# KiCad board Home Assistant Voice PE.kicad_pcb (continued)
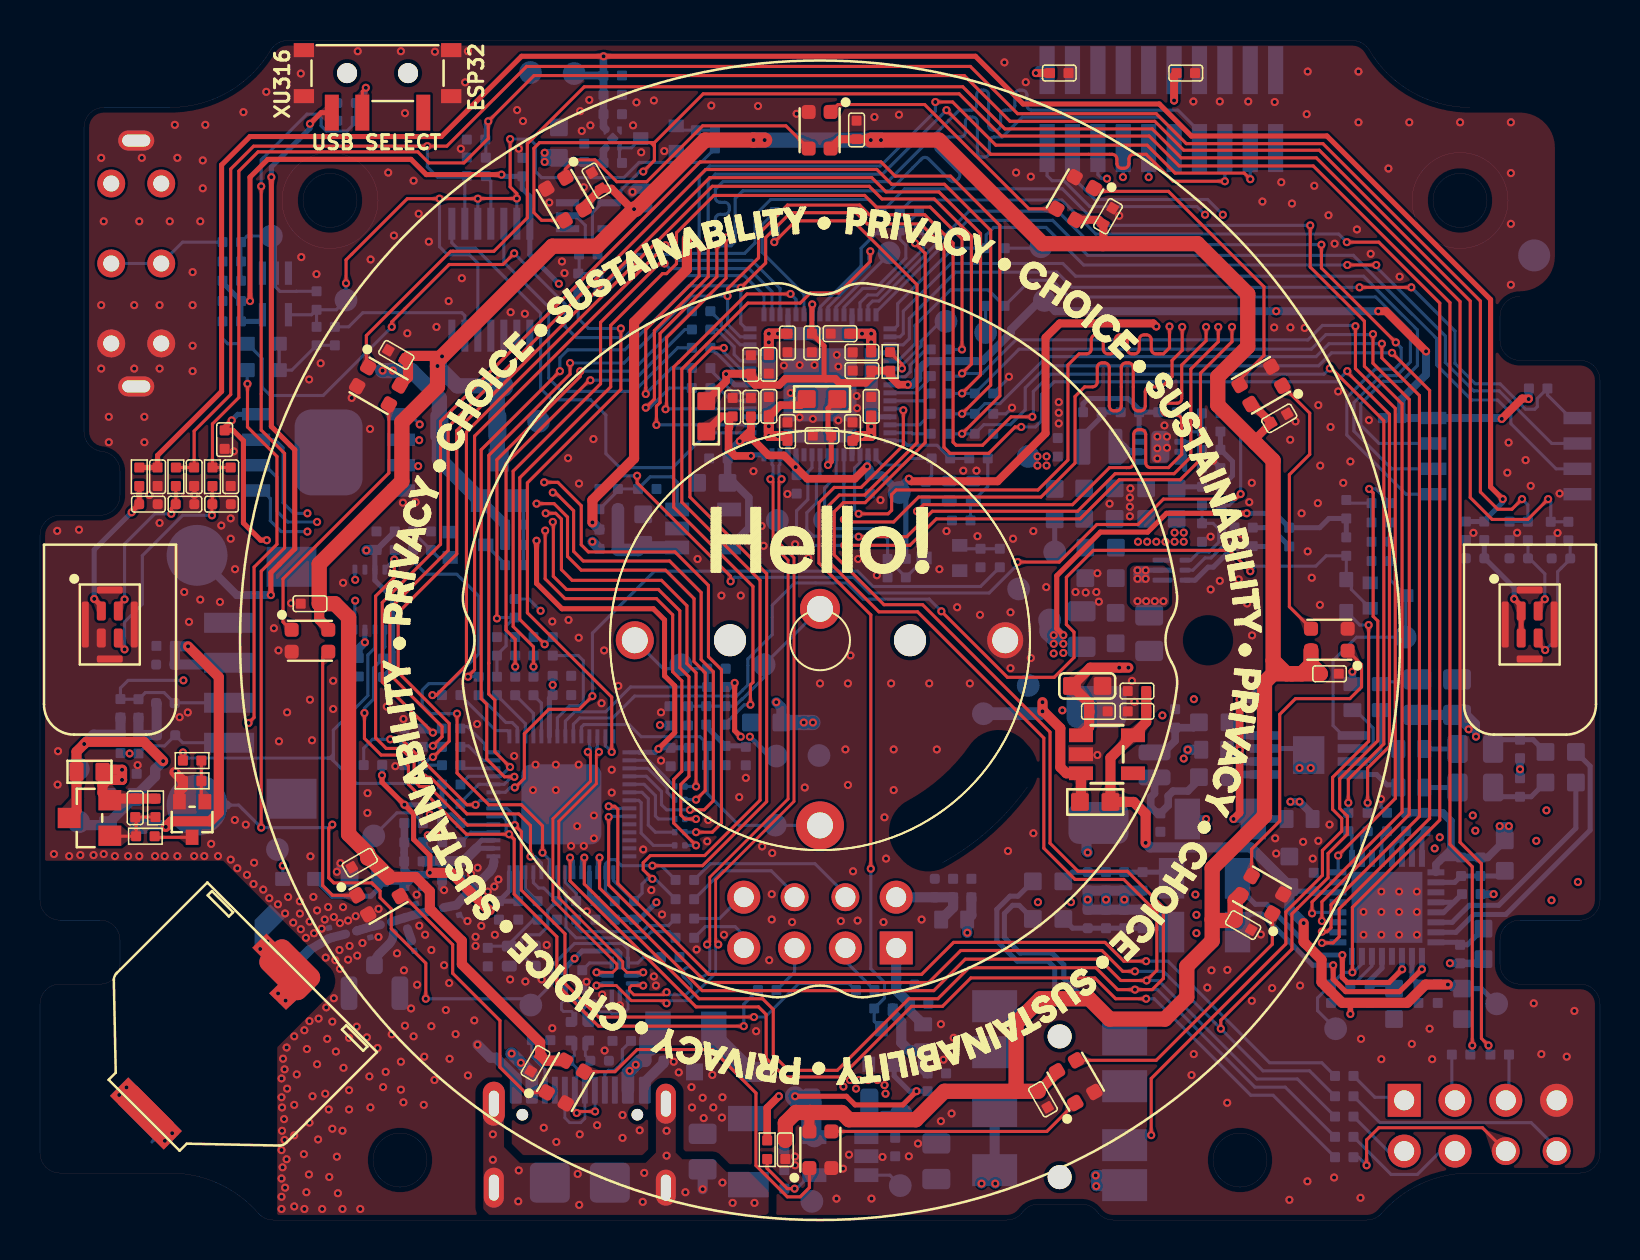
[diagram p0: board, top side]
## Routing (per net, layer and track width the routed paths; a pad name or vN(x,y) marks a point on that pad's centre or on a via; arc(x,y) is an arc through that point) (continued)
/XMOS/TDO: length 48.7
  Top w0.156: v1(40.19,35.05) 40.32,34.92 42.68,34.92 43.93,36.16 50.05,36.16 51.75,37.86 51.75,41.19 52.23,41.67 52.62,41.67 arc(52.79,41.74) 52.86,41.91 52.86,42.63 arc(52.93,42.8) 53.1,42.87 53.22,42.87 arc(53.39,42.8) 53.46,42.63 53.46,40.71 arc(53.53,40.54) 53.7,40.47 53.82,40.47 arc(53.99,40.54) 54.06,40.71 54.06,42.63 arc(54.13,42.8) 54.3,42.87 54.42,42.87 arc(54.59,42.8) 54.66,42.63 54.66,40.71 arc(54.73,40.54) 54.9,40.47 55.02,40.47 arc(55.19,40.54) 55.26,40.71 55.26,41.43 arc(55.33,41.6) 55.5,41.67 56.09,41.67 56.6,42.18 56.6,43 57.11,43.5 v1(57.11,44.67)
  In2.PWR w0.156: v1(57.11,44.67) 57.85,45.41 57.85,49.17 54.44,52.58 53.84,52.58 v1(53.35,52.09)
  Bottom w0.156: U2.20 40.2,36.88 40.19,36.87 v1(40.19,35.05) ; v1(53.35,52.09) 53.1,52.09 52.89,52.29 J5.6
/XMOS/TMS: length 48.1
  Top w0.156: v1(58.91,44.67) 58.91,43.94 57.54,42.56 57.54,38.17 56.7,37.33 53.76,37.33 51.88,35.45 44.62,35.45 43.34,34.18 40.93,34.18 v1(40.93,34.18)
  In2.PWR w0.156: v1(58.25,50.29) 58.91,49.62 v1(58.91,44.67)
  Bottom w0.156: v1(58.25,50.29) 57.85,50.69 52.49,50.69 51.19,51.99 50.61,51.99 50.35,52.24 J5.2 ; v1(40.93,34.18) 40.9,34.21 38.67,34.21 38.34,34.54 38.34,35.38 38.82,35.86 38.82,37.13 38.99,37.3 38.99,38.27 U2.23
/XMOS/XL_DN0: length 49.8
  Top w0.156: v1(31.28,40.56) 31.33,40.61 31.33,44.14 34.3,47.11 v1(34.3,49.14)
  Bottom w0.156: v1(31.28,40.56) 31.3,40.58 U2.35 ; v1(34.3,49.14) 33.77,49.68 33.77,50.07 arc(33.84,50.24) 34.01,50.31 34.23,50.31 arc(34.4,50.38) 34.47,50.55 34.47,50.67 arc(34.4,50.84) 34.23,50.91 34.01,50.91 arc(33.84,50.98) 33.77,51.15 33.77,51.56 34.15,51.94 42.38,51.94 45.96,55.52 46.59,55.52 arc(46.76,55.59) 46.83,55.76 46.83,56.28 arc(46.9,56.45) 47.07,56.52 47.19,56.52 arc(47.36,56.45) 47.43,56.28 47.43,54.76 arc(47.5,54.59) 47.67,54.52 47.79,54.52 arc(47.96,54.59) 48.03,54.76 48.03,55.28 arc(48.1,55.45) 48.27,55.52 48.51,55.52 arc(48.68,55.59) 48.75,55.76 48.75,56.28 arc(48.82,56.45) 48.99,56.52 49.11,56.52 arc(49.28,56.45) 49.35,56.28 49.35,55.76 arc(49.42,55.59) 49.59,55.52 56.89,55.52 57.97,54.44 J5.14
/XMOS/XL_DN1: length 50
  Top w0.156: v1(33.84,48.79) 33.84,47.19 31,44.35 31,40.89 30.82,40.71 v1(30.82,39.77)
  Bottom w0.156: U2.33 30.83,39.78 v1(30.82,39.77) ; J5.12 56.7,54.44 55.98,55.16 49.11,55.16 48.12,54.17 47.71,54.17 arc(47.54,54.1) 47.47,53.93 47.47,53.41 arc(47.4,53.24) 47.23,53.17 47.11,53.17 arc(46.94,53.24) 46.87,53.41 46.87,54.93 arc(46.8,55.1) 46.63,55.17 46.51,55.17 arc(46.34,55.1) 46.27,54.93 46.27,54.41 arc(46.2,54.24) 46.03,54.17 45.17,54.17 44.85,53.85 arc(44.78,53.68) 44.85,53.51 45.92,52.43 arc(45.99,52.26) 45.92,52.09 45.84,52.01 arc(45.67,51.94) 45.5,52.01 44.42,53.08 arc(44.25,53.15) 44.08,53.08 42.48,51.48 35.14,51.48 34.76,51.1 34.76,48.94 34.55,48.73 33.9,48.73 v1(33.84,48.79) ; 56.75,53.41 56.83,53.49
/XMOS/XL_UP0: length 46.8
  Top w0.156: v1(59.24,51.96) 56.66,51.96 55.31,53.31 54.68,53.31 arc(54.52,53.24) 54.44,53.07 54.44,52.85 arc(54.37,52.68) 54.2,52.61 54.08,52.61 arc(53.92,52.68) 53.84,52.85 53.84,53.07 arc(53.77,53.24) 53.6,53.31 47.53,53.31 v1(45.32,55.52) ; v1(30.29,40.63) 30.72,41.06 30.72,44.49 33.41,47.19 v1(33.41,49.14)
  Bottom w0.156: v1(45.32,55.52) 42.12,52.32 33.77,52.32 33.41,51.96 v1(33.41,49.14) ; R32.2 31.47,41.61 30.49,40.63 v1(30.29,40.63) ; v1(59.24,51.96) J5.16
/XMOS/XL_UP1: length 47.3
  Top w0.156: v1(30.29,41.32) 30.29,44.54 32.95,47.21 v1(32.95,48.79) ; v1(60.51,52.06) 60.21,52.37 56.75,52.37 55.36,53.77 47.79,53.77 45.63,55.93 44.89,55.93 44.89,55.92 v1(44.77,55.92)
  Bottom w0.156: v1(32.95,48.79) 32.95,52.19 33.49,52.72 42.02,52.72 44.77,55.47 v1(44.77,55.92) ; R33.2 31.58,42.61 v1(30.29,41.32) ; v1(60.51,52.06) J5.18
/XMOS/XMOS_MUTE_DET: length 38.1
  Top w0.156: v1(23.71,48.35) 23.15,47.8 20.46,47.8 17.59,44.93 v1(17.59,44.67)
  Bottom w0.156: v1(23.71,48.35) 26.25,45.81 26.25,44.7 26.81,44.14 29.2,44.14 32.29,47.24 35.22,47.24 36.2,46.25 U2.46 ; R52.1 9.12,44.09 9.38,43.83 D13.1 11.11,43.08 11.11,41.65 11.52,41.24 14.16,41.24 v1(17.59,44.67)
/XMOS/XOD31: length 4.4
  Bottom w0.156: 42.15,48.01 39.8,45.66 U2.55 ; 42.15,48.01 42.15,48.2 ; 42.15,48.01 42.45,48.32 TP40.1
/XMOS/XOD32: length 6
  Bottom w0.156: U2.56 40.2,45.66 41.14,46.6 41.79,46.6 43.29,48.11 43.29,48.76 42.99,49.07 R41.1
/XMOS/XOD33: length 5.9
  Bottom w0.156: R143.1 44.18,49.29 44.18,48.6 41.86,46.27 41.39,46.27 41,45.88 U2.58
/XMOS/XOD43: length 6.3
  Bottom w0.156: R142.1 36.1,49.78 36.1,48.41 38.2,46.31 U2.51
Audio_DET: length 55.1
  Top w0.156: v1(45.07,30.45) 48.37,27.15 50.71,27.15 51.7,28.14 51.7,29.41 51.32,29.79 51.32,32.15 52.67,33.5 59.47,33.5 v1(60.51,32.45)
  Bottom w0.156: v1(60.51,32.45) 60.77,32.71 63.79,32.71 64.31,33.22 R26.1 D9.1 65.57,31.78 65.57,31.54 Q2.1 ; v1(45.07,30.45) 44.46,31.06 41.16,31.06 40.35,31.87 37.73,31.87 36.61,30.75 36.61,29.29 35.39,28.07 35.39,26.76 34.83,26.21 34.66,26.21 34.65,26.21 29.73,26.21 28.64,25.11 26.99,25.11 26.67,24.8 U1.23
AUDIO_PA_EN: length 78.6
  Top w0.156: v1(28.43,20.16) 28.43,16.76 33.31,11.88 44.44,11.88 46.04,13.48 53.1,13.48 54.14,12.44 v1(54.75,12.44) ; v1(66.46,36.57) 66.66,36.37 66.66,30.2 66.89,29.97 66.89,23.97 64.98,22.07 64.98,20.59 65.37,20.2 65.37,19.3 65.37,19.3 64.4,18.34 64.4,17.12 62.88,15.59 62.88,15.59 62.6,15.31 62.6,13.55 59.04,9.99 v1(59.04,9.57)
  Bottom w0.156: v1(28.43,20.16) 28.47,20.19 U1.37 ; v1(66.46,36.57) 66.79,36.57 67.5,35.86 R36.1 ; v1(54.75,12.44) 56.17,12.44 v1(59.04,9.57) 61.15,7.46 63.48,7.46 R136.2
BUT_A: length 28.8
  Top w0.156: v1(35.52,25.77) 35.52,26.76 35.65,26.89 35.65,31.69 31.68,35.65 31.68,42.67 31.94,42.92 31.94,42.92 35.35,46.32 v1(37.53,46.32)
  Bottom w0.156: R125.1 34.28,24.83 35.22,25.77 v1(35.52,25.77) ; U2.50 37.8,46.05 v1(37.53,46.32)
ECO_A: length 13.7
  Bottom w0.156: U1.22 26.27,24.96 26.73,25.42 28.28,25.42 29.53,26.66 R106.1 C130.1 31.16,27.58 SW2.A
ECO_B: length 16
  Bottom w0.156: SW2.B 34.95,19.74 33.36,21.33 33.36,23.82 33,24.17 30.06,24.17 29.45,24.78 27.2,24.78 27.07,24.65 U1.24
ESP_3V3: length 77.2
  Top w0.254: v1(17.1,22.25) 17.1,21.9 v1(18.22,20.77) 18.68,20.32 18.68,19.04 19.49,18.23 v1(19.49,17.37) ; v1(34.73,26.87) 34.73,24.48 v1(35.04,24.17)
  Top w0.508: v1(22.48,15.49) 22.43,15.49 20.56,17.37 19.54,17.37
  In2.PWR w0.508: 31.84,24.17 31.74,24.07 31.74,16.81 v1(30.82,15.89) ; 31.84,24.17 v1(35.04,24.17) v1(35.49,24.17) ; 31.84,24.17 28.17,24.17 25.63,26.71 24.04,26.71 23.2,25.88 23.2,24.17 20.92,21.89 20.92,18.79 v1(19.49,17.37)
  Bottom w0.254: C86.1 22.49,15.49 v1(22.48,15.49) ; C86.1 23.47,16.47 U1.56 ; C86.1 C82.1 23.87,15.99 U1.55 ; v1(17.1,22.25) 17.11,22.26 R98.2 ; D11.2 14.6,16.2 16.55,16.2 17,16.66 C75.1 ; v1(18.22,20.77) 18.22,20.77 20.05,20.77 R123.2 R128.2 ; R115.2 33.31,24.69 R116.2 35.25,23.72 C132.1 ; TP11.1 36.46,23.21 v1(35.49,24.17) ; U1.46 27.47,16.25 C108.1 27.81,15.95 R130.2 28.74,15.03 29.35,15.03 ; 29.35,15.03 29.96,15.03 v1(30.82,15.89) ; 29.35,15.03 29.7,15.03 ; C109.1 C91.1 25.47,26.09 U1.20 ; v1(34.73,26.87) 34.53,26.66 R106.2
  Bottom w0.381: C76.1 18.79,17.27 ; 18.79,17.27 19.4,17.27 v1(19.49,17.37) ; 18.79,17.27 18.46,17.27 18.22,17.52 ; 18.22,17.52 18.22,16.96 17.16,16.96 C75.1 ; 18.22,17.52 18.22,17.93 L4.1 18.21,18.88 R51.2 R89.2 ; R123.2 20.1,20.82
  vias: v1(25.63,26.76)
ESP_BOOT: length 24.7
  In2.PWR w0.156: v1(31,24.76) 28.36,24.76 25.94,27.17 23.64,27.17 22.72,26.26 22.72,24.5 20.43,22.22 20.43,21 19.72,20.29 v1(19.49,20.29)
  Bottom w0.156: U1.5 21.09,19.79 C113.1 20.57,20.31 19.52,20.31 v1(19.49,20.29) 19.14,19.94 R89.1 19.14,19.88 18.65,20.36 17.84,20.36 TP10.1 ; v1(31,24.76) 31.02,24.73 R111.1 ; 31.37,24.78 31.38,24.78
ESP_IO40: length 101.6
  Top w0.156: v1(36.71,48.91) 37.78,49.98 40.65,49.98 43.85,46.78 43.85,38.88 41.24,36.26 39.97,36.26 39.33,35.63 39.33,33.04 41.95,30.42 43.88,30.42 50.19,24.11 50.19,18.6 51.75,17.04 54.19,17.04 55.84,15.39 55.84,12.49 v1(55.33,11.98) 54.04,11.98 52.97,13.05 46.26,13.05 44.69,11.47 33.11,11.47 27.98,16.6 v1(27.98,18.13)
  Bottom w0.156: v1(55.33,11.98) 55.92,11.98 60.84,7.05 62.87,7.05 R133.2 ; v1(27.98,18.13) 27.87,18.02 U1.45 ; 36.69,49.49 36.69,48.94 v1(36.71,48.91)
ESP_IO41: length 103
  Top w0.156: v1(43.75,48.86) 44.26,48.35 44.26,38.89 41.26,35.88 40.17,35.88 39.71,35.43 39.71,33.27 42.2,30.78 44.13,30.78 50.5,24.41 50.5,18.85 51.9,17.44 54.37,17.44 56.17,15.64 56.17,12.08 55.61,11.52 v1(54.75,11.52) 53.88,11.52 52.79,12.62 46.44,12.62 44.89,11.07 43.45,11.07 39.86,7.49 37.43,7.49 36.66,8.25 36.66,10.53 36.13,11.07 32.95,11.07 27.21,16.81 v1(27.21,18.13)
  Bottom w0.156: R143.2 43.44,49.93 43.44,49.17 v1(43.75,48.86) ; v1(54.75,11.52) 55.87,11.52 60.74,6.65 62.26,6.65 R134.2 ; U1.47 27.07,17.98 v1(27.21,18.13)
ESP_IO42: length 51.3
  Top w0.156: v1(26.5,18.13) 26.5,16.96 32.8,10.66 35.93,10.66 36.31,10.28 36.31,8.1 37.25,7.16 40.04,7.16 43.57,10.69 45.12,10.69 46.54,12.11 52.74,12.11 53.78,11.07 v1(55.31,11.07)
  Bottom w0.156: U1.48 26.67,17.96 v1(26.5,18.13) ; R135.2 61.65,6.24 60.54,6.24 55.71,11.07 v1(55.31,11.07)
ESP_IO48: length 46.5
  Top w0.156: v1(28.43,20.69) 28.74,20.69 28.89,20.54 28.89,16.83 33.44,12.29 44.08,12.29 45.68,13.89 53.25,13.89 54.19,12.95 v1(55.31,12.95)
  Bottom w0.156: U1.36 28.53,20.59 v1(28.43,20.69) ; v1(55.31,12.95) 56.4,12.95 61.48,7.87 64.09,7.87 R91.1
ESP_MUTE_DET: length 35.2
  Top w0.156: v1(10.43,24.86) 10.7,25.14 10.7,32.66 11.85,33.8 11.85,38.19 10.37,39.67 v1(10.37,41.83) ; v1(17.51,24.05) 18.07,24.05 21.35,20.77 v1(21.78,20.77)
  In2.PWR w0.156: v1(10.43,24.86) 16.7,24.86 v1(17.51,24.05)
  Bottom w0.156: v1(17.51,24.05) 16.63,24.05 16.18,23.6 R98.1 ; U1.8 22,20.99 v1(21.78,20.77) ; D20.1 10.36,41.84 v1(10.37,41.83)
ESP_RST: length 14.2
  In2.PWR w0.156: v1(19.39,19.25) 13.66,19.25 v1(12.14,17.72)
  Bottom w0.156: R51.1 19.6,18.43 20.58,18.43 C112.1 21.54,19.39 U1.4 ; R51.1 18.98,18.89 ; R51.1 19.14,19 v1(19.39,19.25) ; D11.1 12.14,18.27 TP20.1
ESP_RX0: length 8.9
  Bottom w0.156: R85.1 31.48,14.42 30.57,14.42 30.26,14.12 26.81,14.12 26.3,14.62 26.3,16.35 25.87,16.78 U1.50
ESP_TX0: length 5.7
  Bottom w0.156: R87.2 26.81,14.67 27.06,14.42 30.11,14.42 30.41,14.73 31.42,14.73 31.78,15.08
ESP_USB_N: length 15.5
  Top w0.142: v1(27.39,23.42) 27.52,23.28 27.52,21.95 25.64,20.07 25.64,16 28.85,12.8 28.85,12.6 28.64,12.39 v1(27.82,12.39)
  Bottom w0.142: v1(27.39,23.42) 27.52,23.55 27.52,23.62 27.47,23.67 U1.25 ; v1(27.82,12.39) 27.98,12.23 U17.7
ESP_USB_P: length 15.6
  Top w0.142: v1(27.95,23.42) 27.82,23.28 27.82,21.82 25.94,19.95 25.94,16.12 29.14,12.92 29.14,12.6 29.35,12.39 v1(30.16,12.39)
  Bottom w0.142: v1(30.16,12.39) 30.01,12.23 U17.1 ; v1(27.95,23.42) 27.82,23.55 27.82,23.62 27.87,23.67 U1.26
ESP_WS2812: length 29.4
  Top w0.156: v1(28.59,23.41) 28.59,26.16 24.37,30.37 24.37,36.87 29.04,41.55 v1(29.04,44.6)
  Bottom w0.156: U1.27 28.27,23.73 v1(28.59,23.41) ; R38.1 26.91,45.1 27.42,44.6 v1(29.04,44.6)
Grove_5V: length 31.4
  Top w0.508: v1(6.16,22.95) 5.19,23.92 2.32,23.92 v1(2.21,23.81) 1.82,23.42 R118.2 1.82,20.48 Q5.3
  In2.PWR w0.508: v1(16.25,28.9) 15.4,28.9 12.51,26 8.9,26 6.16,23.26 v1(6.16,22.95)
  Bottom w0.254: v1(16.25,28.9) U20.7
  Bottom w0.4: v1(16.25,28.9) 15.94,28.59 C118.1
  Bottom w0.508: R144.2 4.03,25.13 R145.2 2.68,24.28 v1(2.21,23.81) ; v1(6.16,22.95) 5.76,22.55 C85.1 5.76,22.18 C84.1 3.4,19.83 FB11.1 2.09,19.75 TP34.1
GROVE_PWR: length 30
  Top w0.156: R67.1 7.14,23.38 v1(7.15,23.39) ; v1(24.52,18.18) 24.52,19.73 23.94,20.31 21.35,20.31 19.52,22.14 v1(19.19,22.14)
  Bottom w0.156: 14.67,23.28 14.67,22.98 ; 14.67,23.28 14.49,23.11 14.39,23.11 ; 14.67,23.28 14.67,24.5 16.39,26.23 16.39,28.26 16.75,28.62 U20.6 ; 14.67,22.98 15.81,21.84 18.88,21.84 v1(19.19,22.14) ; 14.67,22.98 14.54,23.11 14.39,23.11 ; 14.39,23.11 7.43,23.11 v1(7.15,23.39) ; v1(24.52,18.18) 24.74,18.18 25.07,17.85 U1.52
GROVE_SCL: length 46.5
  Top w0.156: v1(35.7,10.15) 27.93,10.15 26.25,11.83 26.25,14.32 24.06,16.5 24.06,19.43 v1(23.74,19.75) 21.37,19.75 19.44,21.68 18.98,21.68 18.71,21.96 18.71,22.93 18.05,23.59 17.31,23.59 16.78,24.12 16.78,31.21 17.71,32.14 v1(17.71,33.04)
  Bottom w0.156: U1.7 23.33,20.59 23.74,20.19 v1(23.74,19.75) ; R83.1 40.78,11.5 40.45,11.83 37.93,11.83 36.26,10.15 v1(35.7,10.15) ; U20.4 17.25,32.57 v1(17.71,33.04) 17.74,33.06 R141.1
GROVE_SDA: length 37.9
  Top w0.156: v1(16.22,25.36) 16.22,24.09 17.05,23.26 17.87,23.26 18.42,22.7 18.42,21.79 18.83,21.38 19.24,21.38 21.32,19.3 v1(23.46,19.3) 23.71,19.04 23.71,16.3 25.84,14.17 25.84,11.78 27.93,9.7 v1(35.19,9.7)
  Bottom w0.156: v1(16.22,25.36) 16.22,25.6 16.68,26.06 16.68,27.61 R140.1 17.16,28.57 17.25,28.66 U20.5 ; R84.1 35.19,10.79 v1(35.19,9.7) ; U1.6 23.13,20.19 23.3,20.02 23.3,19.45 v1(23.46,19.3)
I2C2_SCL: length 40.3
  Top w0.156: v1(34.19,43.62) 33.61,43.62 32.5,42.51 32.5,36.16 36.33,32.33 36.33,20.93 33.13,17.72 v1(30.62,17.72)
  Bottom w0.156: v1(34.19,43.62) 34.19,43.41 35.02,42.58 U2.40 ; R86.2 31.07,17.72 v1(30.62,17.72) 29.08,17.72 28.78,18.03 28.48,18.03 28.27,17.81 U1.44 28.27,16.42 R130.1
I2C2_SDA: length 53
  Top w0.156: v1(41.51,48.46) 41.51,47.95 39.94,46.37 38.52,46.37 38.01,45.87 35.39,45.87 32.09,42.56 32.09,35.91 36,32 36,21 33.23,18.23 30.52,18.23 30.16,17.87 30.16,17.52 v1(30.62,17.06)
  Bottom w0.156: R88.2 30.77,17.06 v1(30.62,17.06) 30.36,17.06 30.1,16.8 30.1,16.35 R129.1 28.67,16.98 U1.43 ; v1(41.51,48.46) 41.46,48.4 41.46,48.05 ; 41.46,48.05 41.46,47.72 39.4,45.66 U2.54 ; 41.46,48.05 41.46,48.46
I2C_SCL: length 107.5
  Top w0.156: v1(26.5,42.87) 26.5,42.31 22.44,38.25 22.44,27.85 22.44,27.85 22.44,26.31 22.74,26 22.74,23.42 v1(23.5,22.66) ; v1(65.42,20.87) 65.42,22.04 67.19,23.81 67.19,39.98 64.57,42.6 v1(64.49,42.6) ; v1(49.62,40.18) 48.55,40.18 47.13,38.75 45.81,38.75 45.65,38.91 45.65,48.86 44.23,50.29 41.46,50.29 40.98,50.77 37.37,50.77 35.93,49.32 35.93,48.13 34.38,46.58 v1(34.38,46.22)
  Bottom w0.156: U2.44 35.01,44.18 34.38,44.81 v1(34.38,46.22) ; v1(26.5,42.87) 29.2,42.87 32.55,46.22 34.48,46.22 ; v1(64.49,42.6) 64.2,42.31 50.53,42.31 49.67,41.45 49.67,40.23 v1(49.62,40.18) ; v1(23.5,22.66) 23.04,22.19 U1.11 21.43,22.19 R128.1 ; R16.1 v1(65.42,20.87)
I2C_SDA: length 109.2
  Top w0.156: v1(65.36,42.46) 65.36,42.41 67.47,40.3 67.47,23.7 66.38,22.6 v1(66.38,20.87) ; v1(26,42.46) 22.06,38.53 22.06,26.08 22.34,25.8 22.34,23.06 23.22,22.17 v1(23.72,22.17) ; v1(35.04,46.63) 36.28,47.87 36.28,49.14 37.53,50.39 40.8,50.39 41.36,49.83 44.03,49.83 45.2,48.66 45.2,38.65 45.5,38.35 47.43,38.35 48.76,39.67 v1(49.06,39.67)
  Bottom w0.156: v1(26,42.46) 26,43.12 26.4,43.53 29.25,43.53 32.45,46.73 34.94,46.73 v1(35.04,46.63) 35.04,44.85 35.31,44.58 U2.45 ; R17.1 v1(66.38,20.87) ; R123.1 21.02,20.88 21.94,21.79 U1.10 23.21,21.79 23.59,22.17 v1(23.72,22.17) ; v1(65.36,42.46) 64.83,41.93 50.71,41.93 50.07,41.29 50.07,39.97 49.77,39.67 v1(49.06,39.67)
I2S2_BCLK: length 23.5
  Top w0.156: v1(23.76,27.68) 23.76,29.05 23.3,29.51 23.3,37.84 27.47,42 v1(27.52,42)
  Bottom w0.156: R104.2 32.24,44.54 29.7,42 v1(27.52,42) ; R92.1 C8.1
I2S2_DATA: length 47.1
  Top w0.156: v1(46.1,43.54) 46.1,49.08 44.51,50.67 41.82,50.67 41.24,51.25 33.69,51.25 31.82,49.38 31.82,47.83 31.33,47.34 31.13,47.34 28.54,44.75 28.54,41.67 23.99,37.13 23.99,30.04 v1(25.23,28.8)
  Bottom w0.156: R102.1 25.59,29.16 v1(25.23,28.8) ; R103.2 v1(46.1,43.54)
I2S2_LRCLK: length 32
  Top w0.156: v1(24.67,27.68) 24.67,28.67 23.66,29.69 23.66,37.46 28.03,41.83 28.03,44.9 30.97,47.85 v1(31.23,47.85)
  Bottom w0.156: v1(31.23,47.85) 31.48,47.59 35.44,47.59 36.6,46.44 U2.47 ; R101.1 C124.1
I2S2_MCLK: length 25.2
  Top w0.156: v1(22.85,30.09) 22.85,30.09 22.85,38.03 27.01,42.2 v1(27.01,42.46)
  Bottom w0.156: v1(22.85,30.09) 22.89,30.14 R146.2 23.3,29.71 23.3,28.72 22.85,28.26 C126.1 R9.1 ; R105.2 32.59,45.45 29.6,42.46 27.01,42.46 v1(27.01,42.46)
I2S_BCLK: length 119.1
  Top w0.156: v1(19.65,23.72) 20.1,24.17 20.1,24.68 17.49,27.29 17.49,30.58 20.41,33.5 20.41,39.67 33.29,52.55 41.84,52.55 42.58,51.81 45.22,51.81 47.53,49.5 47.53,41.76 v1(46.1,40.33) ; v1(67.09,43.83) 67.09,43.12 68.97,41.24 68.97,20.19 64.55,15.77 64.55,14.62 64.35,14.42 64.14,14.42 64.14,14.42 v1(64.09,14.42)
  Bottom w0.156: v1(64.09,14.42) 64.86,14.42 U8.2 ; R71.2 v1(46.1,40.33) C128.1 47.25,40.84 47.99,40.84 50.34,43.19 63.8,43.19 64.45,43.83 v1(67.09,43.83) ; 20.1,23.72 19.14,23.72
I2S_DIN_ESP: length 101.5
  Top w0.156: v1(21.4,27.18) 21.4,27.2 21.73,27.53 21.73,39.21 v1(31.28,48.76) ; v1(63.6,15.34) 63.6,15.91 68.1,20.41 68.1,40.83 66.22,42.71 66.22,44.96 63.51,47.67 v1(63.51,49.75)
  Bottom w0.156: v1(21.4,27.18) R97.1 ; v1(31.28,48.76) 31.66,48.76 32.07,48.35 35.24,48.35 35.75,48.87 35.75,50.26 36.54,51.05 41.45,51.05 R73.2 ; U8.4 63.65,15.39 v1(63.6,15.34) ; v1(63.51,49.75) 52.94,49.75 51.12,51.58 43.23,51.58 R73.2 ; R73.2 42.09,50.42
I2S_DIN_SEC: length 103.6
  Top w0.156: v1(46.1,42.34) 46.57,42.81 46.57,49.22 44.72,51.07 42.1,51.07 41.46,51.71 33.62,51.71 21.32,39.41 21.32,27.76 19.82,26.26 v1(19.62,26.26) ; v1(65.77,44.71) 65.77,42.59 67.76,40.6 67.76,21.09 v1(64.91,18.23)
  Bottom w0.156: R96.1 v1(19.62,26.26) ; v1(65.77,44.71) 65.74,44.75 64.12,44.75 63.4,44.02 48.79,44.02 47.11,42.34 v1(46.1,42.34) 45.97,42.21 R60.2 ; v1(64.91,18.23) 64.91,17.4 U8.8
I2S_LRCK: length 116.7
  Top w0.156: v1(64.1,14.96) 64.1,15.92 68.46,20.29 68.46,41.04 66.65,42.85 v1(66.65,44.32) ; v1(19.65,23.16) 19.66,23.16 20.46,23.95 20.46,24.84 17.91,27.39 17.91,30.39 20.84,33.32 20.84,39.49 33.49,52.14 41.59,52.14 42.3,51.43 44.94,51.43 47.03,49.35 47.03,42.27 v1(46.1,41.34)
  Bottom w0.156: U8.3 64.83,14.96 v1(64.1,14.96) ; R70.2 v1(46.1,41.34) C127.1 48.95,43.56 63.57,43.56 64.3,44.29 66.62,44.29 v1(66.65,44.32) ; R93.1 C114.1 19.55,23.16 v1(19.65,23.16)
I2S_MCLK: length 133.5
  Top w0.156: v1(67.6,43.38) 69.48,41.5 69.48,20.08 64.96,15.56 64.96,14.17 64.65,13.86 v1(64.1,13.86) ; v1(46.1,39.33) 47.99,41.22 47.99,49.75 45.53,52.22 42.76,52.22 42.05,52.93 33.01,52.93 20.03,39.95 20.03,33.8 17.11,30.89 17.11,26.91 v1(19.65,24.38)
  In2.PWR w0.156: v1(19.65,24.38) 20.71,24.38 22.08,25.75 22.08,27.02 25.03,29.97 v1(25.03,30.47)
  Bottom w0.156: U8.1 64.87,13.86 v1(64.1,13.86) ; R72.2 v1(46.1,39.33) C129.1 47.19,39.78 48.51,39.78 49.26,40.53 49.26,41.62 50.37,42.73 63.93,42.73 64.58,43.38 v1(67.6,43.38) ; 20.09,24.68 19.78,24.38 v1(19.65,24.38) 19.45,24.38 19.14,24.68 ; v1(25.03,30.47) 24.44,31.06 R146.1
MUTE_ON: length 42.2
  Top w0.156: v1(15.3,46.86) 15.3,48.02 18.36,51.09 v1(19.98,51.09) v1(21.89,51.09) 21.9,51.1 v1(23.84,51.1) 23.84,51.35 23.51,51.68 v1(23.51,54.07)
  Bottom w0.156: U6.5 21.89,47.86 21.47,48.28 20.38,48.28 19.98,48.69 v1(19.98,51.09) ; R139.2 R114.2 ; R114.2 14.81,45.53 TP25.1 v1(15.3,46.86) ; R114.2 13.58,45.28 U14.4 ; R12.1 33.05,52.9 29.96,52.9 29.2,52.14 25.08,52.14 24.78,52.44 24.78,53.79 24.5,54.07 v1(23.51,54.07) ; v1(23.84,51.1) U6.13 ; v1(21.89,51.09) U6.10
RST_DAC: length 69.9
  Top w0.156: v1(65.34,48.91) 66.94,48.91 69.99,45.87 69.99,20.01 65.62,15.64 v1(65.62,12.39)
  Bottom w0.156: U8.31 66.1,12.81 65.67,12.39 65.16,12.39 64.56,11.78 R24.1 63.88,11.11 63.88,10.47 TP24.1 ; R41.2 42.99,50.44 43.57,51.02 51.09,51.02 52.79,49.32 64.93,49.32 v1(65.34,48.91)
WS2812_5V: length 197.6
  Top w0.4: v1(29.7,50.56) 29.6,50.56 28.58,51.59 C139.1 27.18,50.71 LED1.4 ; 53.15,48.84 53.17,48.86 C138.1 52.95,50.03 LED3.4 ; 60.78,38.87 60.78,39.09 C140.1 60.61,40.82 LED4.4 ; v1(41.54,54.02) 41.49,54.06 C78.1 40,54.06 LED2.4
  Top w0.508: LED9.4 25.28,7.97 C151.1 25.01,8.88 21.09,12.79 21.09,13.96 19.49,15.56 19.49,16.44 18.78,17.16 LED10.4 ; LED12.4 18.4,42.15 18.4,42.86 C154.1 18.4,43.22 20.08,43.22 v1(20.1,43.2) ; LED11.4 14.41,29.58 13.96,30.04 C153.1 ; 38.49,5.38 38.47,5.35 LED8.4 ; C149.1 50.85,7.37 LED7.4
  Top w0.762: 61.66,27.32 61.66,27.98 ; 61.66,27.32 61.23,26.89 61.23,20.21 58.61,17.6 58.61,15.03 ; 61.66,27.32 62.6,27.32 ; 61.66,27.98 62.32,27.32 62.6,27.32 ; 61.66,27.98 61.66,37.99 58.89,40.76 58.89,42.18 60.39,43.68 60.39,46.32 57.87,48.84 50.13,48.84 44.94,54.02 v1(41.54,54.02) ; 62.6,27.32 63.09,27.32 63.55,27.79 ; 62.6,27.32 C147.1 63.55,27.79 ; 63.55,27.79 LED5.4 ; v1(36.23,54.02) v1(35.67,54.02) 33.25,54.02 29.8,50.56 v1(29.7,50.56) 27.85,48.71 25.61,48.71 19.87,42.97 v1(19.87,42.72) 19.87,41.69 18.1,39.91 18.1,36.95 13.96,32.82 C153.1 14.74,30.83 15.43,30.14 15.43,19.3 16.39,18.34 C152.1 16.5,18.11 LED10.4 ; 48.8,6.44 48.8,9.85 50.02,11.07 52.46,11.07 53.48,10.05 56.25,10.05 57.34,11.14 57.34,12.69 58.61,13.96 58.61,15.03 ; 48.8,6.44 45.22,6.44 43.8,5.02 40.45,5.02 40.09,5.38 37.79,5.38 37.27,4.86 C150.1 ; 48.8,6.44 C149.1 ; 58.61,15.03 58.66,14.98 C148.1 59.76,15.98 LED6.4
  Bottom w0.3: U7.5 28.85,49.58 29.7,50.44 v1(29.7,50.56)
  Bottom w0.508: v1(20.1,43.2) 20.1,42.94 v1(19.87,42.72) ; C94.1 29.8,50.66 v1(29.7,50.56)
  Bottom w0.762: v1(19.87,42.72) 20.86,41.73 TP31.1 22.87,41.49 R121.2 22.87,38.08 Q1.3 ; v1(42.05,54.02) v1(41.54,54.02) v1(35.67,54.02)
WS2812_PWR: length 24.5